# KiCad board WINDOW-4CH.kicad_pcb (continued)
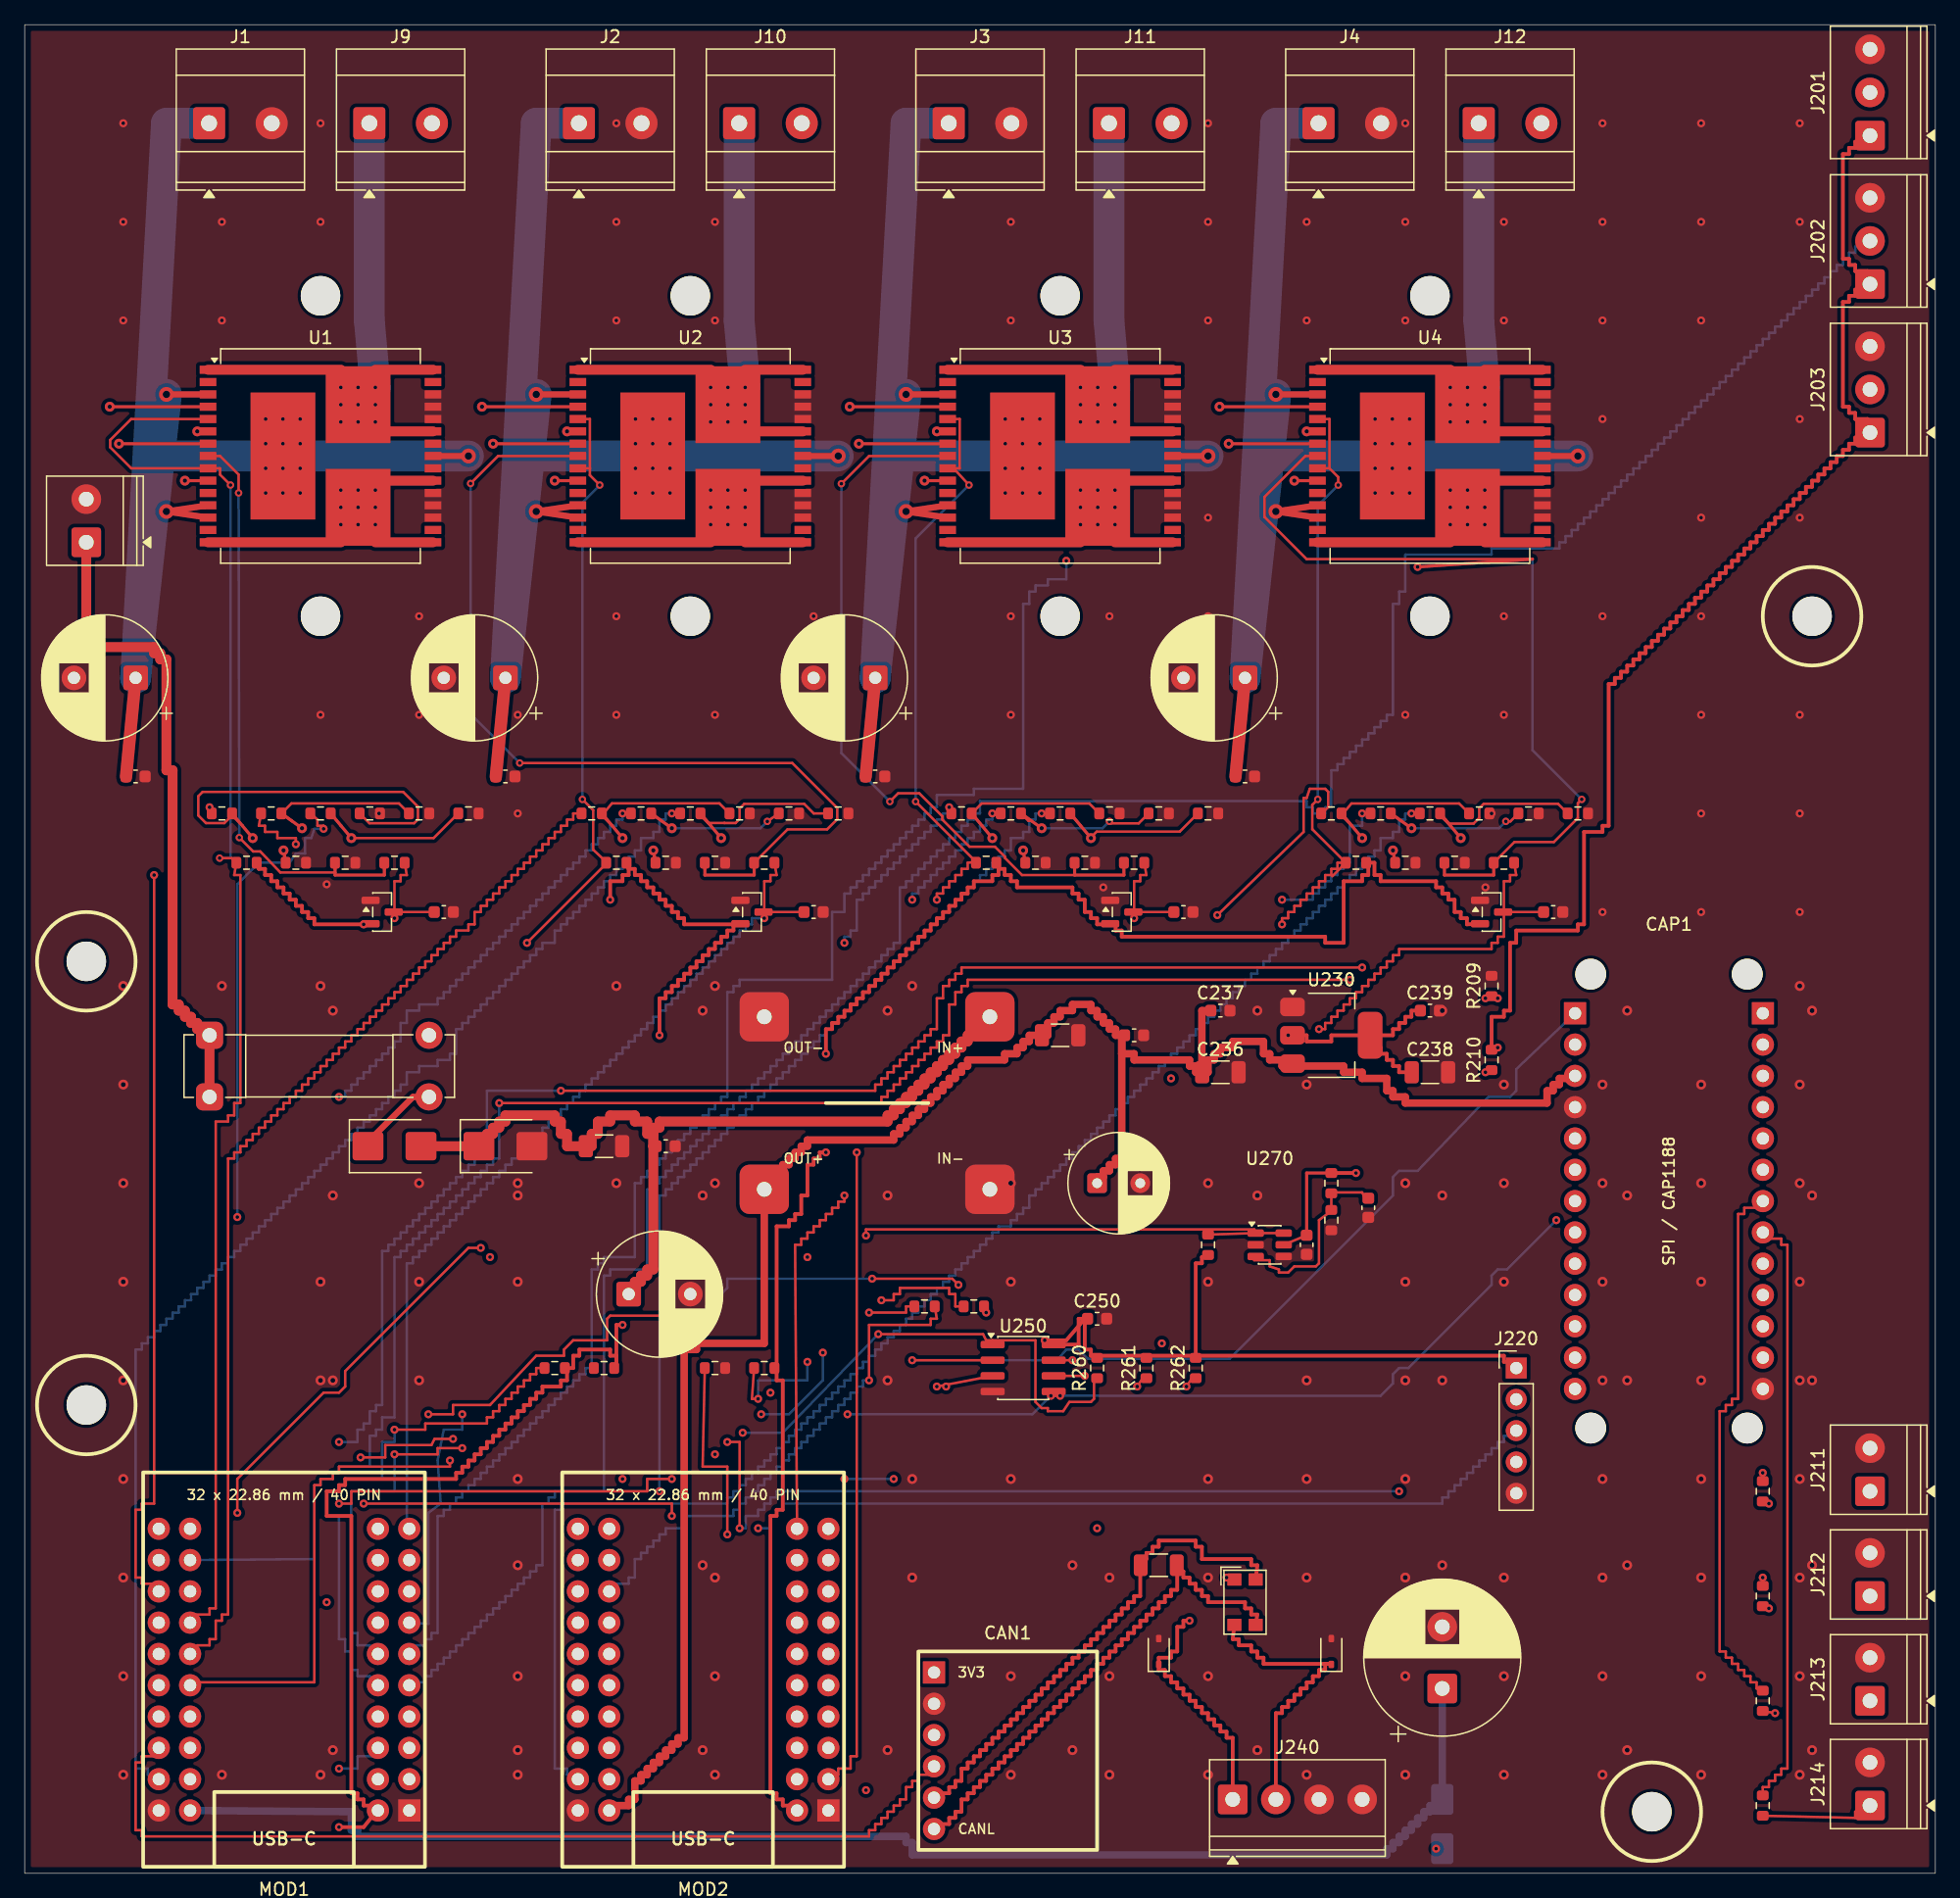
[diagram p0: board, top side]
## Routing (per net, layer and track width the routed paths; a pad name or vN(x,y) marks a point on that pad's centre or on a via; arc(x,y) is an arc through that point) (continued)
CH4_DIAG: length 156.2
  Top w0.2: v3(106.56,112.64) 106.56,113.29 105.85,114 ; 105.85,114 105.85,118 U4.5 ; 105.85,114 U4.9 ; R1407.1 106.5,82 106.5,81.5 106,81.5 106,81 105.5,81 105.5,80.5 105,80.5 105,80 104.5,80 104.5,79.5 104,79.5 104,79 103.5,79 103.5,78.5 103,78.5 103,78 102.5,78 102.5,77.5 102,77.5 v1(102,77) ; R1407.1 106.08,80.9 ; R1407.1 104.46,84.72 104.46,86.7 v3(104.9,87.14)
  In1.Cu w0.2: MOD2.3 65,10 65,10.5 66,10.5 66,11 67,11 67,12 67.5,12 67.5,43 68,43 68,43.5 68.5,43.5 68.5,44.5 69.5,44.5 69.5,45 70,45 70,45.5 70.5,45.5 70.5,46 71,46 71,46.5 71.5,46.5 71.5,47 72,47 72,47.5 72.5,47.5 72.5,48 73,48 73,48.5 73.5,48.5 73.5,49 74,49 74,49.5 74.5,49.5 74.5,50 75,50 75,50.5 75.5,50.5 75.5,51 76,51 76,51.5 76.5,51.5 76.5,52 77,52 77,52.5 80,52.5 80,53 80.5,53 80.5,53.5 81,53.5 81,54 81.5,54 81.5,57 82,57 82,57.5 82.5,57.5 82.5,58 83,58 83,58.5 83.5,58.5 83.5,59 84,59 84,59.5 84.5,59.5 84.5,60 85,60 85,60.5 85.5,60.5 85.5,61 86,61 86,61.5 86.5,61.5 86.5,62 87,62 87,62.5 87.5,62.5 87.5,63 88,63 88,63.5 88.5,63.5 88.5,64 89,64 89,64.5 v1(93,64.5)
  In2.Cu w0.2: v1(93,64.5) 93,65 93.5,65 93.5,65.5 94,65.5 94,66 94.5,66 94.5,66.5 95,66.5 95,67 95.5,67 95.5,67.5 96,67.5 96,68 96.5,68 96.5,68.5 97,68.5 97,69 97.5,69 97.5,69.5 98,69.5 98,70 98.5,70 98.5,70.5 99,70.5 99,71 99.5,71 99.5,71.5 100,71.5 100,72 100.5,72 100.5,72.5 101,72.5 101,73 101.5,73 101.5,73.5 102,73.5 v1(102,77)
  Bottom w0.2: v3(104.9,87.14) 104.9,110.98 v3(106.56,112.64)
CH4_INA: length 77.5
  Top w0.2: R1404.1 116.37,86.81 107.63,86.81 106.83,85.84 107.67,85
  Top w0.25: 104.88,119 v4(96.93,119) ; 106.83,86 v4(108.5,84)
  In2.Cu w0.25: v4(96.93,119) 96.93,80 108.5,80 v4(108.5,84)
CH4_INA_MCU: length 98.4
  Top w0.2: v1(96.75,77.75) 103.75,84.5 103.75,87.25 104,87.25 104.25,88 105.5,88 105.75,87.75 105.75,86.5 R1401.1
  In1.Cu w0.2: MOD2.26 47.5,18.5 48.5,18.75 49,19.25 49.25,20.5 50.25,21.25 50.25,31.25 75.75,56.5 76.25,57.75 77.25,58 94.25,75 94.25,75.5 94.75,76 95.25,76 v1(96.75,77.75)
CH4_INB: length 51.8
  Top w0.2: v3(120.16,85.35) 120.53,85.35 R1405.1 ; R1402.2 111.67,85.4
  Top w0.25: 110.83,86 v4(112.5,84.8) ; 104.88,113 v4(103,113)
  In2.Cu w0.25: v4(103,113) 103,84.8 v4(112.5,84.8)
  Bottom w0.2: v4(112.5,84.8) 119.6,84.8 v3(120.16,85.35)
CH4_INB_MCU: length 136.4
  Top w0.2: v1(108.5,86) R1402.1
  In2.Cu w0.2: v1(102,79) 102,78 101,78 101,74 100.5,74 100.5,73.5 100,73.5 100,73 99.5,73 99.5,72.5 99,72.5 99,72 98.5,72 98.5,71.5 98,71.5 98,71 97.5,71 97.5,70.5 97,70.5 97,70 96.5,70 96.5,69.5 96,69.5 96,69 95.5,69 95.5,68.5 95,68.5 95,68 94.5,68 94.5,67.5 94,67.5 94,67 93.5,67 93.5,66.5 93,66.5 93,66 92.5,66 92.5,65.5 92,65.5 92,65 91.5,65 91.5,64.5 91,64.5 91,64 90.5,64 90.5,63.5 90,63.5 90,63 89.5,63 89.5,62.5 89,62.5 89,62 88.5,62 88.5,61.5 88,61.5 88,61 87.5,61 87.5,60.5 87,60.5 87,60 86.5,60 86.5,59.5 86,59.5 86,59 85.5,59 85.5,58.5 85,58.5 85,58 84.5,58 84.5,57.5 84,57.5 84,57 83.5,57 83.5,56.5 83,56.5 83,56 82.5,56 82.5,55.5 82,55.5 82,55 81.5,55 81.5,54 81,54 81,53.5 80.5,53.5 80.5,53 80,53 80,52.5 79,52.5 79,52 78.5,52 78.5,51.5 78,51.5 78,51 77.5,51 77.5,50.5 77,50.5 77,50 76.5,50 76.5,49.5 76,49.5 76,49 75.5,49 75.5,48.5 75,48.5 75,48 74.5,48 74.5,47.5 74,47.5 74,47 73.5,47 73.5,46.5 73,46.5 73,46 72.5,46 72.5,45.5 72,45.5 72,45 71.5,45 71.5,44.5 71,44.5 71,44 70.5,44 70.5,43.5 70,43.5 70,43 69.5,43 69.5,42.5 69,42.5 69,42 68.5,42 68.5,41.5 68,41.5 68,41 67.5,41 67.5,40.5 67,40.5 67,40 66.5,40 66.5,39.5 66,39.5 66,39 65.5,39 65.5,38.5 65,38.5 65,38 64.5,38 64.5,37.5 64,37.5 64,37 63.5,37 63.5,36.5 63,36.5 63,36 62.5,36 62.5,35.5 62,35.5 62,35 61.5,35 61.5,34.5 61,34.5 61,34 60.5,34 60.5,33.5 60,33.5 60,33 59.5,33 59.5,32.5 59,32.5 59,32 58.5,32 58.5,31.5 58,31.5 58,31 57.5,31 57.5,30.5 57,30.5 57,30 43.5,30 43.5,29.5 43,29.5 43,19 43.5,19 43.5,18.5 44.5,18.5 44.5,18 45,18 MOD2.36
  Bottom w0.2: v1(102,79) 104.5,79 104.5,79.5 105,79.5 105,80 105.5,80 105.5,80.5 106,80.5 106,81 106.5,81 106.5,81.5 107,81.5 107,82 107.5,82 107.5,85 108.5,85 v1(108.5,86)
CH4_OUTA: length 58.4
  Top w0.8: U4.1 115.65,122 ; U4.25 118.45,117 ; U4.30 118.45,122
  Bottom w0.5: v1(118.45,119.16) v1(118.45,117.77) v1(117.05,117.77) ; v1(118.45,119.16) v1(117.05,119.16) ; v1(118.45,119.16) v1(118.45,120.56) v1(117.05,120.56) ; v1(115.65,119.16) v1(117.05,119.16) ; v1(115.65,119.16) v1(115.65,120.56) v1(117.05,120.56) ; v1(115.65,119.16) v1(115.65,117.77) v1(117.05,117.77) ; v1(117.05,119.16) v1(117.05,117.77) ; v1(117.05,119.16) v1(117.05,120.56)
  Bottom w2.5: J12.1 117.96,126 v1(118.45,120.56)
CH4_OUTB: length 80.3
  Top w0.8: U4.15 115.65,108 ; U4.16 118.45,108 ; U4.21 118.45,113
  In1.Cu w0.5: v1(117.05,109.44) v1(118.45,109.44) v1(118.45,110.84) ; v1(117.05,109.44) v1(115.65,109.44) v1(115.65,110.84) ; v1(117.05,109.44) v1(117.05,110.84) ; v1(117.05,112.23) v1(118.45,112.23) v1(118.45,110.84) ; v1(117.05,112.23) v1(115.65,112.23) v1(115.65,110.84) ; v1(117.05,112.23) v1(117.05,110.84) ; v1(117.05,110.84) v1(118.45,110.84) ; v1(117.05,110.84) v1(115.65,110.84)
  In1.Cu w2.5: v1(118.45,109.44) 123.04,105 J12.2
CH4_PWM: length 85.5
  Top w0.2: 115.67,85 114.83,85.84 R1403.2 ; 115.25,85.5 115.57,85.17 117.54,85.17 118,85.64 118,86.42 118.36,86.78 124.39,86.78 R1406.1
  Top w0.25: v4(116.5,84) 115.67,85 115.25,85.5 114.83,86 ; 104.88,116 U4.7 v4(97.67,116)
  In1.Cu w0.25: v4(97.67,116) 97.67,78 116.5,78 v4(116.5,84)
CH4_PWM_MCU: length 150.6
  Top w0.2: v1(112.5,86) R1403.1
  Bottom w0.2: v1(112.5,86) 112,86 112,85.5 111.5,85.5 111.5,84.5 111,84.5 111,84 110,84 110,83 109.5,83 109.5,82.5 109,82.5 109,82 108.5,82 108.5,81.5 108,81.5 108,81 107.5,81 107.5,80.5 107,80.5 107,80 106.5,80 106.5,79.5 106,79.5 106,79 105.5,79 105.5,78.5 105,78.5 105,78 104.5,78 104.5,77.5 104,77.5 104,77 103.5,77 103.5,76.5 103,76.5 103,76 102.5,76 102.5,75.5 102,75.5 102,75 101.5,75 101.5,74.5 101,74.5 101,74 100.5,74 100.5,73.5 100,73.5 100,73 99.5,73 99.5,72.5 99,72.5 99,72 98.5,72 98.5,71.5 98,71.5 98,71 97.5,71 97.5,70.5 97,70.5 97,70 96.5,70 96.5,69.5 96,69.5 96,69 95.5,69 95.5,68.5 95,68.5 95,68 94.5,68 94.5,67.5 94,67.5 94,67 93.5,67 93.5,66.5 93,66.5 93,66 92.5,66 92.5,65.5 92,65.5 92,65 91.5,65 91.5,64.5 91,64.5 91,64 90.5,64 90.5,63.5 90,63.5 90,63 89.5,63 89.5,62.5 89,62.5 89,62 88.5,62 88.5,61.5 88,61.5 88,61 87.5,61 87.5,60.5 87,60.5 87,60 86.5,60 86.5,59.5 86,59.5 86,59 85.5,59 85.5,58.5 85,58.5 85,58 84.5,58 84.5,57.5 84,57.5 84,57 83.5,57 83.5,56.5 83,56.5 83,56 82.5,56 82.5,55.5 82,55.5 82,55 81.5,55 81.5,54 81,54 81,53.5 80.5,53.5 80.5,53 80,53 80,52.5 79,52.5 79,52 78.5,52 78.5,51.5 78,51.5 78,51 77.5,51 77.5,50.5 77,50.5 77,50 76.5,50 76.5,49.5 76,49.5 76,49 75.5,49 75.5,48.5 75,48.5 75,48 74.5,48 74.5,47.5 74,47.5 74,47 73.5,47 73.5,46.5 73,46.5 73,46 72.5,46 72.5,45.5 72,45.5 72,45 71.5,45 71.5,44.5 71,44.5 71,44 70.5,44 70.5,43.5 70,43.5 70,43 69.5,43 69.5,42.5 69,42.5 69,42 68.5,42 68.5,41.5 68,41.5 68,41 67.5,41 67.5,40.5 67,40.5 67,40 66.5,40 66.5,39.5 66,39.5 66,39 65.5,39 65.5,38.5 65,38.5 65,38 64.5,38 64.5,37.5 64,37.5 64,37 63.5,37 63.5,36.5 63,36.5 63,36 62.5,36 62.5,35.5 62,35.5 62,35 61.5,35 61.5,34.5 61,34.5 61,34 60.5,34 60.5,33.5 60,33.5 60,33 59.5,33 59.5,32.5 59,32.5 59,32 58.5,32 58.5,31.5 58,31.5 58,31 57.5,31 57.5,30.5 57,30.5 57,30 43.5,30 43.5,29.5 43,29.5 43,8.5 44,8.5 44,8 45,8 MOD2.32
EEPROM_CS: length 113.9
  Top w0.2: 78.5,43.25 82,43.25 82,38.25 82.5,37.75 83,37.75 83,37.5 84.25,37.5 84.75,38.25 86.5,38.25 86.75,38.5 86.75,40.25 R260.1 ; 78.5,43.25 78.5,43 78.5,43.25 ; 78.5,43.25 78,43.25 77.75,43.75 v1(69.25,43.75) ; v1(27.25,33.75) 29.25,33.75 29.25,34.75 33,34.75 33.25,35.25 v1(34.75,35.25)
  In1.Cu w0.2: MOD1.35 11,16.25 10.5,16.25 10.5,16.5 10,16.5 9.5,17 9.5,20.25 8.25,21.25 8.25,23 7.5,23 7,23.5 7,24.5 7.5,25 8.25,25 8.25,29.75 9.25,30.75 27.25,30.75 v1(27.25,33.75)
  In2.Cu w0.2: v1(34.75,35.25) 50,35.25 50.25,35.75 v1(58.25,35.75)
  Bottom w0.2: v1(69.25,43.75) 61.5,35.75 v1(58.25,35.75)
EEPROM_HOLD: length 15.5
  Top w0.2: U250.7 v1(85,41.64) ; R262.1 94.75,40.25 v1(94.25,39.5)
  In1.Cu w0.2: v1(92.25,43) 92.25,41.75 v1(85,41.64)
  In2.Cu w0.2: v1(94.25,39.5) 94.25,41 v1(92.25,43)
EEPROM_WP: length 22
  Top w0.2: v1(90.25,39.5) 90.75,40.25 R261.1 ; U250.3 v1(74,39.5)
  In1.Cu w0.2: v1(74.75,39.5) v1(90.25,39.5)
  In2.Cu w0.2: v1(74,39.5) v1(74.75,39.5)
FUSED_12V_CH1: length 146.5
  Top w0.5: U1.12 v5(11.5,110.5) U1.13 ; v5(36,115) U1.23 ; v5(11.5,120) U1.3
  Top w1: C1101.1 C1102.1
  Bottom w0.5: v1(22.35,114) v1(22.35,112) v1(20.95,112) ; v1(22.35,114) v1(20.95,114) ; v1(22.35,114) v1(22.35,116) ; v1(20.95,118) v1(20.95,116) ; v1(20.95,118) v1(19.55,118) v1(19.55,116) ; v1(20.95,118) v1(22.35,118) v1(22.35,116) ; v1(20.95,116) v1(20.95,114) ; v1(20.95,116) v1(22.35,116) ; v1(20.95,116) v1(19.55,116) ; v1(20.95,114) v1(20.95,112) ; v1(20.95,114) v1(19.55,114) ; v1(20.95,112) v1(19.55,112) v1(19.55,114) ; v1(19.55,114) v1(19.55,116)
  Bottom w2.5: J1.1 11.5,142 C1101.1 v5(11.5,120) ; 11.5,115 v5(36,115)
FUSED_12V_CH2: length 146.5
  Top w0.5: U2.12 v5(41.5,110.5) U2.13 ; v5(41.5,120) U2.3 ; v5(66,115) U2.23
  Top w1: C1201.1 C1202.1
  Bottom w0.5: v1(50.95,118) v1(50.95,116) ; v1(50.95,118) v1(49.55,118) v1(49.55,116) ; v1(50.95,118) v1(52.35,118) v1(52.35,116) ; v1(50.95,116) v1(50.95,114) ; v1(50.95,116) v1(52.35,116) ; v1(50.95,116) v1(49.55,116) ; v1(52.35,116) v1(52.35,114) ; v1(52.35,114) v1(52.35,112) v1(50.95,112) ; v1(52.35,114) v1(50.95,114) ; v1(50.95,112) v1(50.95,114) ; v1(50.95,112) v1(49.55,112) v1(49.55,114) ; v1(49.55,114) v1(50.95,114) ; v1(49.55,114) v1(49.55,116)
  Bottom w2.5: 41.5,115 v5(66,115) ; v5(41.5,120) C1201.1 41.5,142 J2.1
FUSED_12V_CH3: length 146.5
  Top w0.5: U3.13 v5(71.5,110.5) U3.12 ; v5(96,115) U3.23 ; v5(71.5,120) U3.3
  Top w1: C1301.1 C1302.1
  Bottom w0.5: v1(79.55,114) v1(79.55,112) v1(80.95,112) ; v1(79.55,114) v1(79.55,116) ; v1(79.55,114) v1(80.95,114) ; v1(80.95,118) v1(80.95,116) ; v1(80.95,118) v1(79.55,118) v1(79.55,116) ; v1(80.95,118) v1(82.35,118) v1(82.35,116) ; v1(80.95,116) v1(79.55,116) ; v1(80.95,116) v1(82.35,116) ; v1(80.95,116) v1(80.95,114) ; v1(80.95,112) v1(82.35,112) v1(82.35,114) ; v1(80.95,112) v1(80.95,114) ; v1(80.95,114) v1(82.35,114) ; v1(82.35,114) v1(82.35,116)
  Bottom w2.5: v5(71.5,120) C1301.1 71.5,142 J3.1 ; 71.5,115 v5(96,115)
FUSED_12V_CH4: length 146.5
  Top w0.5: U4.13 v5(101.5,110.5) U4.12 ; v5(101.5,120) U4.3 ; v5(126,115) U4.23
  Top w1: C1401.1 C1402.1
  Bottom w0.5: v1(110.95,114) v1(112.35,114) ; v1(110.95,114) v1(110.95,112) ; v1(110.95,114) v1(110.95,116) ; v1(110.95,114) v1(109.55,114) ; v1(112.35,114) v1(112.35,116) ; v1(112.35,114) v1(112.35,112) v1(110.95,112) ; v1(109.55,116) v1(110.95,116) ; v1(109.55,116) v1(109.55,118) v1(110.95,118) ; v1(109.55,116) v1(109.55,114) ; v1(110.95,116) v1(112.35,116) ; v1(110.95,116) v1(110.95,118) ; v1(112.35,116) v1(112.35,118) v1(110.95,118) ; v1(110.95,112) v1(109.55,112) v1(109.55,114)
  Bottom w2.5: J4.1 101.5,142 C1401.1 v5(101.5,120) ; 101.5,115 v5(126,115)
LOGIC_3V3: length 100.9
  Top w0.3: C239.1 112.5,70 112.5,69.5 112,69.5 112,69 111.5,69 111.5,68.5 111,68.5 111,68 U230.2 ; U230.2 109,68 ; U230.2 109,68 ; U230.2 109,68 ; U230.2 109,68 ; 109,68 109,67.5 109.5,67.5 109.5,67 110,67 110,66.5 110.5,66.5 110.5,66 111,66 111,65.5 111.5,65.5 111.5,65 C238.1 ; 109,68 106,68 106,67.5 104,67.5 104,68 v1(102.5,68)
  In1.Cu w0.3: v1(102.5,68) 102.5,45 102,45 102,44.5 101.5,44.5 101.5,44 101,44 101,43.5 100.5,43.5 100.5,43 100,43 100,42.5 99.5,42.5 99.5,42 99,42 99,41.5 98.5,41.5 98.5,41 98,41 98,40.5 97.5,40.5 97.5,40 97,40 97,39.5 96.5,39.5 96.5,39 96,39 96,38.5 95.5,38.5 95.5,38 95,38 95,37.5 94.5,37.5 94.5,37 94,37 94,36.5 93.5,36.5 93.5,36 93,36 93,35.5 92.5,35.5 92.5,35 92,35 92,34.5 91.5,34.5 91.5,34 91,34 91,33.5 90.5,33.5 90.5,33 90,33 90,32.5 89.5,32.5 89.5,32 89,32 89,31.5 88.5,31.5 88.5,31 88,31 88,30.5 87.5,30.5 87.5,30 87,30 87,29.5 86.5,29.5 86.5,29 86,29 86,28.5 85.5,28.5 85.5,28 85,28 85,27.5 84.5,27.5 84.5,27 84,27 84,26.5 83.5,26.5 83.5,26 83,26 83,25.5 82.5,25.5 82.5,25 82,25 82,24.5 81.5,24.5 81.5,24 81,24 81,23.5 80.5,23.5 80.5,23 80,23 80,22.5 79.5,22.5 79.5,22 79,22 79,21.5 78.5,21.5 78.5,21 78,21 78,20.5 77.5,20.5 77.5,20 77,20 77,19.5 76.5,19.5 76.5,19 76,19 76,18.5 75.5,18.5 75.5,18 75,18 75,17.5 74.5,17.5 74.5,17 74,17 CAN1.1
LOGIC_5V: length 262.2
  Top w0.6: 95.5,65 C236.1 ; 95.5,65 C236.1 ; 95.5,65 C236.1 ; 95.5,65 95,65 95,65.5 94.5,65.5 94.5,66 90,66 90,66.5 89,66.5 ; 95.5,65 C236.1 ; 95.5,65 95.5,70 C237.1 ; C236.1 96,65 96,66 96.5,66 96.5,66.5 97,66.5 97,67 98,67 98,67.5 100.5,67.5 100.5,66.5 101,66.5 101,66 102,66 102,65.5 103,65.5 ; C233.1 87,56.5 87.5,56.5 87.5,57 88,57 88,57.5 88.5,57.5 88.5,58 89,58 89,66.5 ; 103,65.5 107,65.5 107,65 108.5,65 108.5,64.5 110.5,64.5 110.5,63.5 111,63.5 111,63 112,63 112,62.5 123.5,62.5 123.5,63.5 124,63.5 124,64 124.5,64 124.5,64.5 126,64.5 CAP1.3 ; 103,65.5 U230.3 103,65.5 ; MOD2.21 47.5,5.5 49,5.5 49,6 49.5,6 49.5,7.5 50,7.5 50,8 50.5,8 50.5,8.5 51,8.5 51,9 51.5,9 51.5,9.5 52,9.5 52,10 52.5,10 52.5,10.5 53,10.5 53,11 53.5,11 53.5,42.5 54.5,42.5 54.5,43 60,43 60,56 60.5,56 60.5,56.5 61,56.5 61,57 61.5,57 61.5,57.5 62,57.5 62,58 62.5,58 62.5,58.5 63,58.5 63,59 63.5,59 63.5,59.5 70.5,59.5 70.5,60 71,60 71,60.5 71.5,60.5 71.5,61 72,61 72,61.5 72.5,61.5 72.5,62 73,62 73,62.5 73.5,62.5 73.5,63 74,63 74,63.5 74.5,63.5 74.5,64 75,64 75,64.5 75.5,64.5 75.5,65 76,65 76,65.5 76.5,65.5 76.5,66 79.5,66 79.5,66.5 80.5,66.5 80.5,67 81,67 81,67.5 81.5,67.5 81.5,68 83,68 83,69 83.5,69 83.5,69.5 84,69.5 84,70 85,70 85,70.5 86.5,70.5 86.5,70 87,70 87,69.5 87.5,69.5 87.5,69 88,69 88,68.5 88.5,68.5 88.5,68 89,68 ; 89,68 89,66.5 ; 89,68 C235.1 ; 89,68 C235.1 ; 89,68 89,66.5 ; 89,68 C235.1
  In2.Cu w0.6: C233.1 87,29.5 87.5,29.5 87.5,29 88,29 88,28.5 88.5,28.5 88.5,28 89,28 89,27.5 89.5,27.5 89.5,27 90,27 90,26.5 90.5,26.5 90.5,26 91,26 91,25.5 91.5,25.5 91.5,25 92,25 92,24.5 92.5,24.5 92.5,24 93,24 93,23.5 93.5,23.5 93.5,23 94,23 94,22.5 94.5,22.5 94.5,22 95,22 95,21.5 95.5,21.5 95.5,21 96,21 96,20.5 96.5,20.5 96.5,20 97,20 97,19.5 97.5,19.5 97.5,19 98,19 98,18.5 98.5,18.5 98.5,18 99,18 99,17.5 99.5,17.5 99.5,17 100,17 100,16.5 100.5,16.5 100.5,16 101,16 101,15.5 101.5,15.5 101.5,15 102,15 102,14.5 102.5,14.5 102.5,14 103,14 103,13.5 103.5,13.5 103.5,13 104,13 104,12.5 104.5,12.5 104.5,12 105,12 105,11.5 105.5,11.5 105.5,11 106,11 106,10.5 106.5,10.5 106.5,10 107,10 107,9.5 107.5,9.5 107.5,9 108,9 108,8.5 110,8.5 110,8 110.5,8 110.5,7.5 111,7.5 111,5.5 111.5,5.5 111.5,5 112,5 112,4.5 112.5,4.5 112.5,4 113,4 113,3.5 113.5,3.5 113.5,3 114,3 114,2.5 114.5,2.5 v1(114.5,2)
  Bottom w0.6: v1(114.5,2) D280.2
LOGIC_12V_FUSED: length 233.9
  Top w0.2: C270.1 U270.5
  Top w0.25: R270.1 104,56.83 C270.1
  Top w0.3: R270.1 v1(108,56.83)
  Top w0.5: D230.1 27.75,59.25 31.5,63 F230.2
  In2.Cu w0.5: F230.2 32.75,76.5 62,76.5 62,120 70.25,120 70.25,118 78.5,118 78.5,117 85,117 85,116.75 95.75,116.75 95.75,120 100.25,120 100.25,114 108.5,114 108.5,87 113.5,87 113.5,74.5 106.5,74.5 106.5,56.75 v1(108,56.83)
LOGIC_12V_IN: length 55
  Top w0.8: F230.1 F230.1 14.5,68 14.5,68.5 14,68.5 14,69 13.5,69 13.5,69.5 13,69.5 13,70 12.5,70 12.5,70.5 12,70.5 12,89.5 11.5,89.5 11.5,98.5 11,98.5 11,99 10.5,99 10.5,99.5 5,99.5 J230.1
LOGIC_12V_PROTECTED: length 81.3
  Top w0.8: D230.2 37,59 37,59.5 37.5,59.5 37.5,60 38,60 38,60.5 38.5,60.5 38.5,61 39,61 39,61.5 43,61.5 43,61 43.5,61 43.5,60 44,60 44,59 46,59 46,60 46.5,60 46.5,61 47.5,61 47.5,61.5 49.5,61.5 49.5,61 50.5,61 50.5,60 51,60 ; C232.1 51,59 ; C232.1 51,59 ; C232.1 51,59 ; 51,59 51,60 ; 51,59 51,49 50.5,49 50.5,48.5 50,48.5 50,48 49.5,48 49.5,47.5 49,47.5 C230.1 ; 51,59 51,60 ; 51,60 51,60.5 51.5,60.5 51.5,61 70,61 70,61.5 70.5,61.5 70.5,62 71,62 71,62.5 71.5,62.5 71.5,63 72,63 72,63.5 72.5,63.5 72.5,64 73,64 73,64.5 73.5,64.5 73.5,65 74,65 74,65.5 74.5,65.5 74.5,66 75,66 75,66.5 75.5,66.5 75.5,67 76,67 76,67.5 76.5,67.5 76.5,68 77,68 77,68.5 77.5,68.5 77.5,69 78,69 78,69.5 DC1.1
PGOOD_SENSE: length 16.2
  Top w0.2: U270.3 99.75,49.75 101,49.75 101,49.25 101.75,49 101.75,48.75 102.5,48.75 103,49.25 104.75,49.25 105,49.5 105,53 106,53.75 106,55.25 108.5,55.25 108.75,54.75 C271.1
POWER_GOOD: length 106.1
  Top w0.2: U270.1 U270.6 ; U270.1 R272.2 ; U270.1 99.75,52.25 68.25,52.25 v1(68.25,51.75) ; v1(37,50.75) 36,50.75 26,40.75 26,39.5 25.5,39 24.25,39 17.25,32 v1(17.25,29.25)
  In1.Cu w0.2: v1(68.25,51.75) 62.25,51.75 62.25,50.75 v1(37,50.75) ; MOD1.30 14.5,29.25 v1(17.25,29.25)
REED_A_CLOSED: length 238
  Bottom w0.2: J202.2 149,132.5 149,132 148.5,132 148.5,131.5 148,131.5 148,131 147.5,131 147.5,130.5 147,130.5 147,130 146.5,130 146.5,129.5 146,129.5 146,129 145.5,129 145.5,128.5 145,128.5 145,128 144.5,128 144.5,127.5 144,127.5 144,127 143.5,127 143.5,126.5 143,126.5 143,126 142.5,126 142.5,125.5 142,125.5 142,125 141.5,125 141.5,124.5 141,124.5 141,124 140.5,124 140.5,123.5 140,123.5 140,123 139.5,123 139.5,122.5 139,122.5 139,122 138.5,122 138.5,121.5 138,121.5 138,121 137.5,121 137.5,120.5 137,120.5 137,120 136.5,120 136.5,119.5 136,119.5 136,119 135.5,119 135.5,118.5 135,118.5 135,118 134.5,118 134.5,117.5 134,117.5 134,117 133.5,117 133.5,116.5 133,116.5 133,116 132.5,116 132.5,115.5 132,115.5 132,115 131.5,115 131.5,114.5 131,114.5 131,114 130.5,114 130.5,113.5 130,113.5 130,113 129.5,113 129.5,112.5 129,112.5 129,112 128.5,112 128.5,111.5 128,111.5 128,111 127.5,111 127.5,110.5 127,110.5 127,110 126.5,110 126.5,109.5 126,109.5 126,109 125.5,109 125.5,108.5 125,108.5 125,108 124.5,108 124.5,107.5 119,107.5 119,107 112,107 112,104 111.5,104 111.5,103 111,103 111,94 110.5,94 110.5,93.5 110,93.5 110,93 109.5,93 109.5,92.5 109,92.5 109,92 108.5,92 108.5,91.5 108,91.5 108,91 107.5,91 107.5,90.5 107,90.5 107,90 106.5,90 106.5,89.5 106,89.5 106,86.5 105.5,86.5 105.5,86 104.5,86 104.5,86.5 104,86.5 104,87 77.5,87 77.5,86 77,86 77,85.5 76.5,85.5 76.5,85 76,85 76,84.5 75.5,84.5 75.5,84 75,84 75,83.5 74.5,83.5 74.5,83 74,83 74,82.5 73.5,82.5 73.5,82 73,82 73,81.5 72.5,81.5 72.5,81 72,81 72,80.5 71.5,80.5 71.5,80 71,80 71,75.5 70.5,75.5 70.5,75 70,75 70,74.5 69.5,74.5 69.5,74 69,74 69,73.5 68.5,73.5 68.5,73 68,73 68,72.5 67.5,72.5 67.5,72 67,72 67,71.5 66.5,71.5 66.5,71 66,71 66,70.5 65.5,70.5 65.5,70 65,70 65,69.5 64.5,69.5 64.5,69 64,69 64,68.5 63.5,68.5 63.5,68 63,68 63,67.5 62.5,67.5 62.5,67 62,67 62,66.5 61.5,66.5 61.5,66 61,66 61,65.5 60.5,65.5 60.5,65 60,65 60,64.5 59.5,64.5 59.5,64 59,64 59,63.5 58.5,63.5 58.5,63 58,63 58,62.5 57.5,62.5 57.5,62 57,62 57,61.5 56.5,61.5 56.5,61 56,61 56,60.5 55.5,60.5 55.5,60 55,60 55,59.5 54.5,59.5 54.5,59 54,59 54,58.5 53.5,58.5 53.5,58 53,58 53,57.5 52.5,57.5 52.5,57 52,57 52,56.5 51.5,56.5 51.5,56 51,56 51,55.5 50.5,55.5 50.5,49 47.5,49 47.5,48.5 47,48.5 47,31 43,31 43,30.5 42.5,30.5 42.5,30 42,30 42,25 41.5,25 41.5,24.5 41,24.5 41,24 40.5,24 40.5,23.5 40,23.5 40,23 39.5,23 39.5,22.5 39,22.5 39,22 38.5,22 38.5,21.5 38,21.5 38,21 37.5,21 37.5,20.5 37,20.5 37,20 36.5,20 36.5,19.5 36,19.5 36,19 35.5,19 35.5,18.5 35,18.5 35,18 34.5,18 34.5,17.5 34,17.5 34,17 33.5,17 33.5,16.5 33,16.5 33,16 32.5,16 32.5,15.5 31,15.5 MOD1.5
REED_A_IN_PLACE: length 244.3
  Top w0.2: v1(10.5,81) 10.5,30 9.5,30 9.5,29.5 9,29.5 9,24 9.5,24 9.5,23.5 11,23.5 MOD1.38
  In2.Cu w0.2: v1(10.5,81) 11,81 11,109.5 10.5,109.5 10.5,110 10,110 10,111 10.5,111 10.5,111.5 11,111.5 11,112 12,112 12,114 18.5,114 18.5,115 34.5,115 34.5,115.5 35,115.5 35,116 35.5,116 35.5,116.5 36,116.5 36,120 40,120 40,120.5 40.5,120.5 40.5,121 41,121 41,121.5 148.5,121.5 148.5,121 149,121 149,120.5 J203.2
REED_A_OPEN: length 245.4
  In1.Cu w0.2: J201.2 92,144.5 92,144 91,144 91,143 90.5,143 90.5,113.5 86.5,113.5 86.5,113 84.5,113 v1(84.5,106.5)
  Bottom w0.2: v1(84.5,106.5) 84.5,105 83,105 83,104.5 82,104.5 82,104 81.5,104 81.5,103 81,103 81,88 77,88 77,87.5 74,87.5 74,86.5 73.5,86.5 73.5,86 73,86 73,85.5 72.5,85.5 72.5,85 72,85 72,84.5 71.5,84.5 71.5,84 71,84 71,83.5 70.5,83.5 70.5,83 70,83 70,82.5 69.5,82.5 69.5,82 69,82 69,81.5 68.5,81.5 68.5,81 68,81 68,80.5 67.5,80.5 67.5,80 67,80 67,79.5 66.5,79.5 66.5,78 65.5,78 65.5,72.5 58,72.5 58,72 57.5,72 57.5,71.5 57,71.5 57,63 56.5,63 56.5,62.5 56,62.5 56,62 55.5,62 55.5,61.5 55,61.5 55,61 54.5,61 54.5,60.5 54,60.5 54,60 53.5,60 53.5,59.5 53,59.5 53,59 52.5,59 52.5,58.5 52,58.5 52,58 51.5,58 51.5,57.5 51,57.5 51,57 50.5,57 50.5,56.5 50,56.5 50,56 49.5,56 49.5,50 47,50 47,49.5 46.5,49.5 46.5,49 46,49 46,41 45.5,41 45.5,40.5 45,40.5 45,40 44.5,40 44.5,39.5 44,39.5 44,39 43.5,39 43.5,38.5 43,38.5 43,38 42.5,38 42.5,37.5 42,37.5 42,37 41.5,37 41.5,36.5 41,36.5 41,36 40.5,36 40.5,35.5 40,35.5 40,35 39.5,35 39.5,34.5 39,34.5 39,34 38.5,34 38.5,33.5 38,33.5 38,33 37.5,33 37.5,32.5 37,32.5 37,32 36.5,32 36.5,31.5 36,31.5 36,31 35.5,31 35.5,30.5 35,30.5 35,30 34.5,30 34.5,29.5 34,29.5 34,29 33.5,29 33.5,19.5 33,19.5 33,19 32.5,19 32.5,18.5 31,18.5 MOD1.6
S1_3V3: length 469.7
  Top w0.3: 49,81.5 49,82 49,81.5 ; 49,81.5 49,81 48.5,81 48.5,80.5 47.5,80.5 v1(47.5,79) ; 49,81.5 49.5,81.5 49.5,81 50,81 50,80.5 50.5,80.5 50.5,80 51,80 51,79.5 51.5,79.5 51.5,79 52,79 52,78.5 52.5,78.5 52.5,78 53,78 53,77.5 53.5,77.5 53.5,77 57.5,77 ; 48,42 47.5,42 47.5,42.5 45,42.5 45,42 44.5,42 44.5,41 44,41 44,40 43.5,40 43.5,39.5 42,39.5 42,39 41.5,39 41.5,38.5 41,38.5 41,38 40.5,38 40.5,37.5 40,37.5 40,37 39.5,37 39.5,36.5 39,36.5 39,36 38.5,36 38.5,35.5 38,35.5 38,35 37.5,35 37.5,34.5 37,34.5 37,34 36.5,34 36.5,33.5 36,33.5 36,33 35.5,33 35.5,32.5 35,32.5 35,32 26,32 26,31.5 25.5,31.5 25.5,31 24.5,31 24.5,29 26.5,29 26.5,6.5 27,6.5 27,6 27.5,6 27.5,5.5 28.5,5.5 28.5,5 ; 48,42 48,41 48,42 ; 48,42 48,44.5 v1(48.5,44.5) ; U250.8 83.5,43 ; U250.8 85.5,42.91 85.5,45 86,45 ; U250.8 83.5,43 ; 83.5,43 83.5,43.25 ; 83.5,43 83.5,43.25 ; J201.1 149,141 149,140.5 148.5,140.5 148.5,140 148,140 148,139.5 147.5,139.5 147.5,131 148,131 148,130.5 148.5,130.5 148.5,130 149.5,130 149.5,129 ; v1(25.5,3.75) 27.5,3.75 28.5,5 ; 57.5,77 58,77 57.5,77 ; 57.5,77 57.5,76.5 57,76.5 57,76 56.5,76 56.5,75.5 56,75.5 56,75 55.5,75 55.5,74.5 55,74.5 55,74 54.5,74 54.5,73.5 54,73.5 54,73 53.5,73 53.5,72.5 53,72.5 53,72 52.5,72 52.5,71.5 52,71.5 52,71 51.5,71 v1(51.5,68) ; 149.5,129 J202.1 149.5,129 ; 149.5,129 149,129 149,128.5 148.5,128.5 148.5,128 148,128 148,127.5 147.5,127.5 147.5,119 148,119 148,118.5 148.5,118.5 148.5,118 149.5,118 149.5,117 ; R272.1 95.5,50 95.5,49.5 95,49.5 95,42 ; R1107.2 19,81.5 19.5,81.5 19.5,81 20,81 20,80.5 20.5,80.5 20.5,80 21,80 21,79.5 21.5,79.5 21.5,79 22,79 22,78.5 22.5,78.5 22.5,78 23,78 23,77.5 23.5,77.5 23.5,77 v1(27.5,77) ; C250.1 86,45 ; C250.1 86,45 ; C250.1 86,45 ; 86,45 84.5,43.25 83.5,43.25 ; 86,45 86,42.5 86.5,42.5 86.5,42 95,42 ; R262.2 95,42 ; R262.2 95,42 ; R262.2 95,42 ; 95,42 120,42 120,41.5 120.5,41.5 120.5,41 J220.1 ; 28.5,5 28.75,5 28.5,5 ; 149.5,117 149,117 149,116.5 148.5,116.5 148.5,116 148,116 148,115.5 147.5,115.5 147.5,115 147,115 147,114.5 146.5,114.5 146.5,114 146,114 146,113.5 145.5,113.5 145.5,113 145,113 145,112.5 144.5,112.5 144.5,112 144,112 144,111.5 143.5,111.5 143.5,111 143,111 143,110.5 142.5,110.5 142.5,110 142,110 142,109.5 141.5,109.5 141.5,109 141,109 141,108.5 140.5,108.5 140.5,108 140,108 140,107.5 139.5,107.5 139.5,107 139,107 139,106.5 138.5,106.5 138.5,106 138,106 138,105.5 137.5,105.5 137.5,105 137,105 137,104.5 136.5,104.5 136.5,104 136,104 136,103.5 135.5,103.5 135.5,103 135,103 135,102.5 134.5,102.5 134.5,102 134,102 134,101.5 133.5,101.5 133.5,101 133,101 133,100.5 132.5,100.5 132.5,100 132,100 132,99.5 131.5,99.5 131.5,99 131,99 131,98.5 130.5,98.5 130.5,98 130,98 130,97.5 129.5,97.5 129.5,97 129,97 129,96.5 128.5,96.5 128.5,85 128,85 128,84.5 126.5,84.5 126.5,77 126,77 126,76.5 121,76.5 121,75.5 120.5,75.5 120.5,70 120,70 120,69.5 119,69.5 119,67 v1(119.5,67) ; 149.5,117 J203.1 149.5,117 ; v1(27.5,77) 28,77 v1(27.5,77) ; 83.5,43.25 v1(82.75,43.25)
  In1.Cu w0.3: J220.1 121,65 120.5,65 120.5,65.5 120,65.5 120,66 119.5,66 v1(119.5,67) ; v1(68.25,6.75) 68.25,39 70.5,39 71,39.5 71,43.25 v1(82.75,43.25)
  In2.Cu w0.3: v1(25.5,3.75) 27,2.25 67,2.25 67.75,3 67.75,3.75 68.25,4 v1(68.25,6.75) ; v1(51.5,68) 51.5,46.5 51,46.5 51,45.5 50.5,45.5 50.5,45 49.5,45 49.5,44.5 v1(48.5,44.5) ; v1(27.5,77) 28,77 28,77.5 28.5,77.5 28.5,78 29,78 29,78.5 29.5,78.5 29.5,79 v1(47.5,79)
S1_5V_HOLD: length 118.6
  Bottom w0.6: C280.1 D280.1 114.5,6 114.5,5.5 114,5.5 114,5 113.5,5 113.5,4.5 113,4.5 113,4 112.5,4 112.5,3.5 112,3.5 112,3 111.5,3 111.5,2.5 111,2.5 111,2 110.5,2 110.5,1.5 72,1.5 72,2.5 71.5,2.5 71.5,3 27,3 27,3.5 26.5,3.5 26.5,5 MOD1.21
S1_CAN_RX: length 80
  Top w0.2: CAN1.4 74,8.5 73.5,8.5 73.5,8 72.5,8 72.5,7.5 72,7.5 72,7 71.5,7 71.5,6 71,6 71,5.5 70.5,5.5 70.5,5 70,5 70,4.5 69.5,4.5 69.5,4 69,4 69,3.5 68.5,3.5 68.5,3 9.5,3 9.5,3.5 9,3.5 9,9 9.5,9 9.5,9.5 11,9.5 MOD1.33
S1_CAN_TX: length 78.6
  In1.Cu w0.2: CAN1.3 74,11 73,11 73,10.5 72,10.5 72,9.5 71.5,9.5 71.5,8.5 71,8.5 71,8 70.5,8 70.5,7.5 70,7.5 70,7 69.5,7 69.5,6.5 69,6.5 69,6 68.5,6 68.5,5.5 68,5.5 68,5 67.5,5 67.5,4.5 67,4.5 67,3.5 66.5,3.5 66.5,3 27.5,3 27.5,3.5 27,3.5 27,4 26.5,4 26.5,12.5 13.5,12.5 MOD1.24
S1_NRST: length 126.2
  Top w0.2: v1(58,28) 58,35 v1(57,35) ; v1(35.5,34.5) 33.5,34.5 33.5,34 v1(30,34)
  In2.Cu w0.2: J220.4 120.5,33.5 120.5,33 120,33 120,32.5 119.5,32.5 119.5,32 119,32 119,31.5 118.5,31.5 118.5,31 v1(111.5,31) ; v1(35.5,34.5) 50.5,34.5 50.5,35 v1(57,35)
  Bottom w0.2: v1(111.5,31) 61,31 61,30.5 60.5,30.5 60.5,30 60,30 60,29.5 59.5,29.5 59.5,29 58.5,29 58.5,28 v1(58,28) ; MOD1.16 28,18 28,18.5 27,18.5 27,19.5 26.5,19.5 26.5,31 30,31 v1(30,34)
S1_SLOT_ID0: length 47.4
  Top w0.2: R3011.1 41.5,41 41.5,40.5 41,40.5 41,40 40.5,40 40.5,39.5 40,39.5 40,39 39.5,39 39.5,38.5 39,38.5 39,38 38.5,38 38.5,37.5 38,37.5 38,37 37.5,37 37.5,36.5 32.5,36.5 32.5,36 v1(30,36)
  Bottom w0.2: v1(30,36) 30,35 29,35 29,32 26,32 26,31.5 25.5,31.5 25.5,31 24.5,31 24.5,29 25.5,29 25.5,19 26,19 26,18 26.5,18 26.5,16.5 27,16.5 27,16 28,16 28,15.5 MOD1.15
S1_SWCLK: length 140.3
  Top w0.2: v1(34.5,33.5) 34.5,33 25.5,33 25.5,32.5 25,32.5 25,32 24,32 24,31.5 23.5,31.5 23.5,15.5 13.5,15.5 MOD1.25
  In1.Cu w0.2: v1(59.5,28) 59.5,34 v1(56,34)
  In2.Cu w0.2: v1(56,34) 51,34 51,33.5 v1(34.5,33.5)
  Bottom w0.2: J220.3 120.5,36 120.5,35.5 120,35.5 120,35 119.5,35 119.5,34.5 119,34.5 119,34 118.5,34 118.5,33.5 118,33.5 118,33 117.5,33 117.5,32.5 117,32.5 117,32 116.5,32 116.5,31.5 116,31.5 116,31 115.5,31 115.5,30.5 115,30.5 115,30 61.5,30 61.5,29.5 61,29.5 61,29 60.5,29 60.5,28 v1(59.5,28)
S1_SWDIO: length 162.3
  In1.Cu w0.2: J220.2 120.5,38.5 120.5,38 120,38 120,37.5 119.5,37.5 119.5,37 119,37 119,36.5 118.5,36.5 118.5,36 118,36 118,35.5 117.5,35.5 117.5,35 117,35 117,34.5 116.5,34.5 116.5,34 116,34 116,33.5 115.5,33.5 115.5,33 115,33 115,32.5 114.5,32.5 114.5,32 114,32 114,31.5 113.5,31.5 113.5,31 113,31 113,30.5 112.5,30.5 112.5,30 112,30 112,29.5 111.5,29.5 111.5,29 111,29 111,28.5 110.5,28.5 110.5,28 110,28 110,27.5 109.5,27.5 109.5,27 109,27 109,26.5 108.5,26.5 108.5,26 108,26 108,25.5 107.5,25.5 107.5,25 107,25 107,24.5 106.5,24.5 106.5,24 106,24 106,23.5 105.5,23.5 105.5,23 105,23 105,22.5 104.5,22.5 104.5,22 104,22 104,21.5 103.5,21.5 103.5,21 103,21 103,20.5 102.5,20.5 102.5,20 102,20 102,19.5 101.5,19.5 101.5,19 101,19 101,18.5 100.5,18.5 100.5,18 100,18 100,17.5 99.5,17.5 99.5,17 99,17 99,16.5 98.5,16.5 98.5,16 98,16 98,15.5 97.5,15.5 97.5,15 97,15 97,14.5 96.5,14.5 96.5,14 96,14 96,13.5 95.5,13.5 95.5,13 95,13 95,12.5 94.5,12.5 94.5,12 94,12 94,11.5 93.5,11.5 93.5,11 93,11 93,10.5 92.5,10.5 92.5,10 92,10 92,9.5 91.5,9.5 91.5,9 91,9 91,8.5 90.5,8.5 90.5,8 90,8 90,7.5 89.5,7.5 89.5,7 89,7 89,6.5 88.5,6.5 88.5,6 88,6 88,5.5 87.5,5.5 87.5,5 87,5 87,4.5 86.5,4.5 86.5,4 86,4 86,3.5 85.5,3.5 85.5,3 85,3 85,2.5 84.5,2.5 84.5,2 84,2 84,1.5 72.5,1.5 72.5,2 27,2 27,2.5 26.5,2.5 26.5,3 9.5,3 9.5,3.5 9,3.5 9,11.5 9.5,11.5 9.5,12 10.5,12 10.5,12.5 11,12.5 MOD1.34
S1_UART1_RX: length 89.6
  Top w0.2: v1(78,45.5) R251.2 ; v1(52.5,29) 52.5,30 v1(27.5,30)
  In1.Cu w0.2: MOD1.28 26.5,23 26.5,29 27,29 27,29.5 27.5,29.5 v1(27.5,30)
  In2.Cu w0.2: v1(52.5,29) 61,29 61,29.5 61.5,29.5 61.5,30 62,30 62,30.5 62.5,30.5 62.5,31 63,31 63,31.5 63.5,31.5 63.5,32 64,32 64,32.5 64.5,32.5 64.5,33 65,33 65,33.5 65.5,33.5 65.5,34 66,34 66,34.5 66.5,34.5 66.5,35 67,35 67,35.5 67.5,35.5 67.5,36 68,36 68,36.5 68.5,36.5 68.5,37 69,37 69,37.5 69.5,37.5 69.5,38 70,38 70,38.5 70.5,38.5 70.5,39 71,39 71,39.5 71.5,39.5 71.5,40 72,40 72,40.5 72.5,40.5 72.5,41 73,41 73,41.5 73.5,41.5 73.5,42 74,42 74,42.5 74.5,42.5 74.5,43 75,43 75,43.5 75.5,43.5 75.5,44 76,44 76,44.5 76.5,44.5 76.5,45 77,45 77,45.5 v1(78,45.5)
S1_UART1_TX: length 90.8
  Top w0.2: R250.1 71.5,46 71.5,45.5 v1(68.5,45.5) ; v1(52.5,32) 50.5,32 50.5,31 26.5,31 26.5,30 v1(25.5,30)
  In1.Cu w0.2: v1(25.5,30) 9.5,30 9.5,29.5 9,29.5 9,21.5 9.5,21.5 9.5,21 11,21 MOD1.37
  In2.Cu w0.2: v1(68.5,45.5) 68.5,43 68,43 68,42.5 67.5,42.5 67.5,42 67,42 67,41.5 66.5,41.5 66.5,41 66,41 66,40.5 65.5,40.5 65.5,40 65,40 65,39.5 64.5,39.5 64.5,39 64,39 64,38.5 63.5,38.5 63.5,38 63,38 63,37.5 62.5,37.5 62.5,37 62,37 62,36.5 61.5,36.5 61.5,36 61,36 61,35.5 60.5,35.5 60.5,35 60,35 60,34.5 59.5,34.5 59.5,34 59,34 59,33.5 58.5,33.5 58.5,33 58,33 58,32.5 57.5,32.5 57.5,32 v1(52.5,32)
S2_3V3: length 155.7
  Top w0.3: 79,81.5 79.5,81.5 79.5,81 80,81 80,80.5 80.5,80.5 80.5,80 85,80 85,79.5 85.5,79.5 85.5,79 86,79 86,78 86.5,78 86.5,77.5 87,77.5 87,77 88.5,77 88.5,76.5 89,76.5 89,76 105.5,76 105.5,75.5 107,75.5 107,80.5 108.5,80.5 108.5,81 109,81 109,82 109.5,82 109.5,81 110,81 110,80.5 114.5,80.5 114.5,80 115,80 115,79.5 115.5,79.5 115.5,79 116,79 116,78 116.5,78 116.5,77.5 117,77.5 117,77 D1401.2 ; 79,81.5 79,82 79,81.5 ; 79,81.5 79,81 78.5,81 78.5,80.5 77,80.5 77,80 76.5,80 76.5,79.5 76,79.5 76,79 75.5,79 75.5,78.5 75,78.5 75,78 74.5,78 74.5,77.5 74,77.5 74,77 73.5,77 73.5,76.5 73,76.5 73,76 72.5,76 72.5,75.5 72,75.5 72,75 71.5,75 71.5,74.5 71,74.5 71,74 70.5,74 70.5,73.5 70,73.5 70,73 69.5,73 69.5,72.5 69,72.5 69,72 68.5,72 68.5,71.5 68,71.5 68,71 67.5,71 67.5,70.5 67,70.5 67,70 66.5,70 66.5,69.5 66,69.5 66,69 65.5,69 65.5,68.5 65,68.5 v1(65,66.5) ; v1(65,58.5) 64.5,58.5 64.5,58 64,58 64,57.5 63.5,57.5 63.5,55 63,55 63,53.5 62.5,53.5 62.5,53 62,53 62,52.5 61,52.5 61,40 61.5,40 61.5,29.5 61,29.5 61,29 60.5,29 60.5,6.5 61,6.5 61,6 61.5,6 61.5,5.5 62,5.5 62,5 MOD2.11
  In1.Cu w0.3: v1(65,58.5) v1(65,66.5)
S2_SLOT_ID0: length 33.2
  Top w0.2: v1(57,27.5) 57,33 55,33 R3021.1
  In2.Cu w0.2: v1(57,27.5) 57,27 60.5,27 60.5,16.5 61,16.5 61,16 62,16 62,15.5 MOD2.15
S2_SLOT_ID1: length 43.7
  Top w0.2: v1(59.5,38.5) 59,38.5 R3022.1
  In1.Cu w0.2: v1(66.5,32) 63.5,32 v1(63.5,41.5)
  In2.Cu w0.2: MOD2.7 65,21 66.5,21 66.5,21.5 67,21.5 67,22 67.5,22 67.5,23.5 68,23.5 68,24 68.5,24 68.5,24.5 69,24.5 69,25 69.5,25 69.5,25.5 70,25.5 70,26 70.5,26 v1(70.5,32)
  Bottom w0.2: v1(66.5,32) v1(70.5,32) ; v1(63.5,41.5) 63.5,40 59.5,40 v1(59.5,38.5)
S2_UART_RX: length 49.6
  Top w0.2: R250.2 74,45 73.5,45 73.5,44.5 68.5,44.5 v1(68.5,40)
  Bottom w0.2: v1(68.5,40) 68,40 68,39.5 67.5,39.5 67.5,39 67,39 67,38.5 66.5,38.5 66.5,38 66,38 66,37.5 65.5,37.5 65.5,37 65,37 65,36.5 64.5,36.5 64.5,36 64,36 64,35.5 63.5,35.5 63.5,35 63,35 63,34.5 62.5,34.5 62.5,34 62,34 62,33.5 61.5,33.5 61.5,33 61,33 61,32.5 60.5,32.5 60.5,32 60,32 60,31.5 59.5,31.5 59.5,31 59,31 59,30.5 58.5,30.5 58.5,30 58,30 58,29.5 57.5,29.5 57.5,29 53.5,29 53.5,28 52,28 52,27.5 51.5,27.5 51.5,27 51,27 51,26.5 50.5,26.5 50.5,26 50,26 50,25.5 49.5,25.5 49.5,24 49,24 49,23.5 47.5,23.5 MOD2.28
S2_UART_TX: length 63.8
  Top w0.2: R251.1 75.5,46 75.5,47 75,47 75,47.5 71,47.5 71,47 70.5,47 70.5,46.5 v1(69.5,46.5)
  In1.Cu w0.2: v1(48.5,32) 48.5,30 43.5,30 43.5,29.5 43,29.5 43,21.5 43.5,21.5 43.5,21 45,21 MOD2.37
  In2.Cu w0.2: v1(48.5,32) 51.5,32 51.5,33 57,33 57,33.5 57.5,33.5 57.5,34 58,34 58,34.5 58.5,34.5 58.5,35 59,35 59,35.5 59.5,35.5 59.5,36 60,36 60,36.5 60.5,36.5 60.5,37 61,37 61,37.5 61.5,37.5 61.5,38 62,38 62,38.5 62.5,38.5 62.5,39 63,39 63,39.5 63.5,39.5 63.5,40 64,40 64,40.5 64.5,40.5 64.5,41 65,41 65,41.5 65.5,41.5 65.5,42 66,42 66,42.5 66.5,42.5 66.5,43 67,43 67,43.5 67.5,43.5 67.5,46.5 v1(69.5,46.5)

## Copper pours and planes (outline as drawn; the poured copper is in the pictures)
GND on Top: 0.5,149.5 154.5,149.5 154.5,0.5 0.5,0.5
GND on Bottom: 0.5,149.5 154.5,149.5 154.5,0.5 0.5,0.5
GND on In1.Cu: 0.5,149.5 154.5,149.5 154.5,0.5 0.5,0.5
GND on In2.Cu: 0.5,149.5 154.5,149.5 154.5,0.5 0.5,0.5
